# Altium PCB spd150.PcbDoc (part 8 of 15)
Units mil, origin at the board's own origin, x right, y up, seen from the top; angles counter-clockwise.
Board outline 8557 x 5807 mil, 10 copper layers (TOP, LYR2-PLN, LYR3-SIG, LYR4-SIG, LYR5-PLN, LYR6-PLN, LYR7-SIG, LYR8-SIG, LYR9-PLN, BOTTOM), stack 84 mil thick; 1065 components, 972 nets, 4226 pads, 2810 vias.
Unrouted connection lines stored in the file: 16.
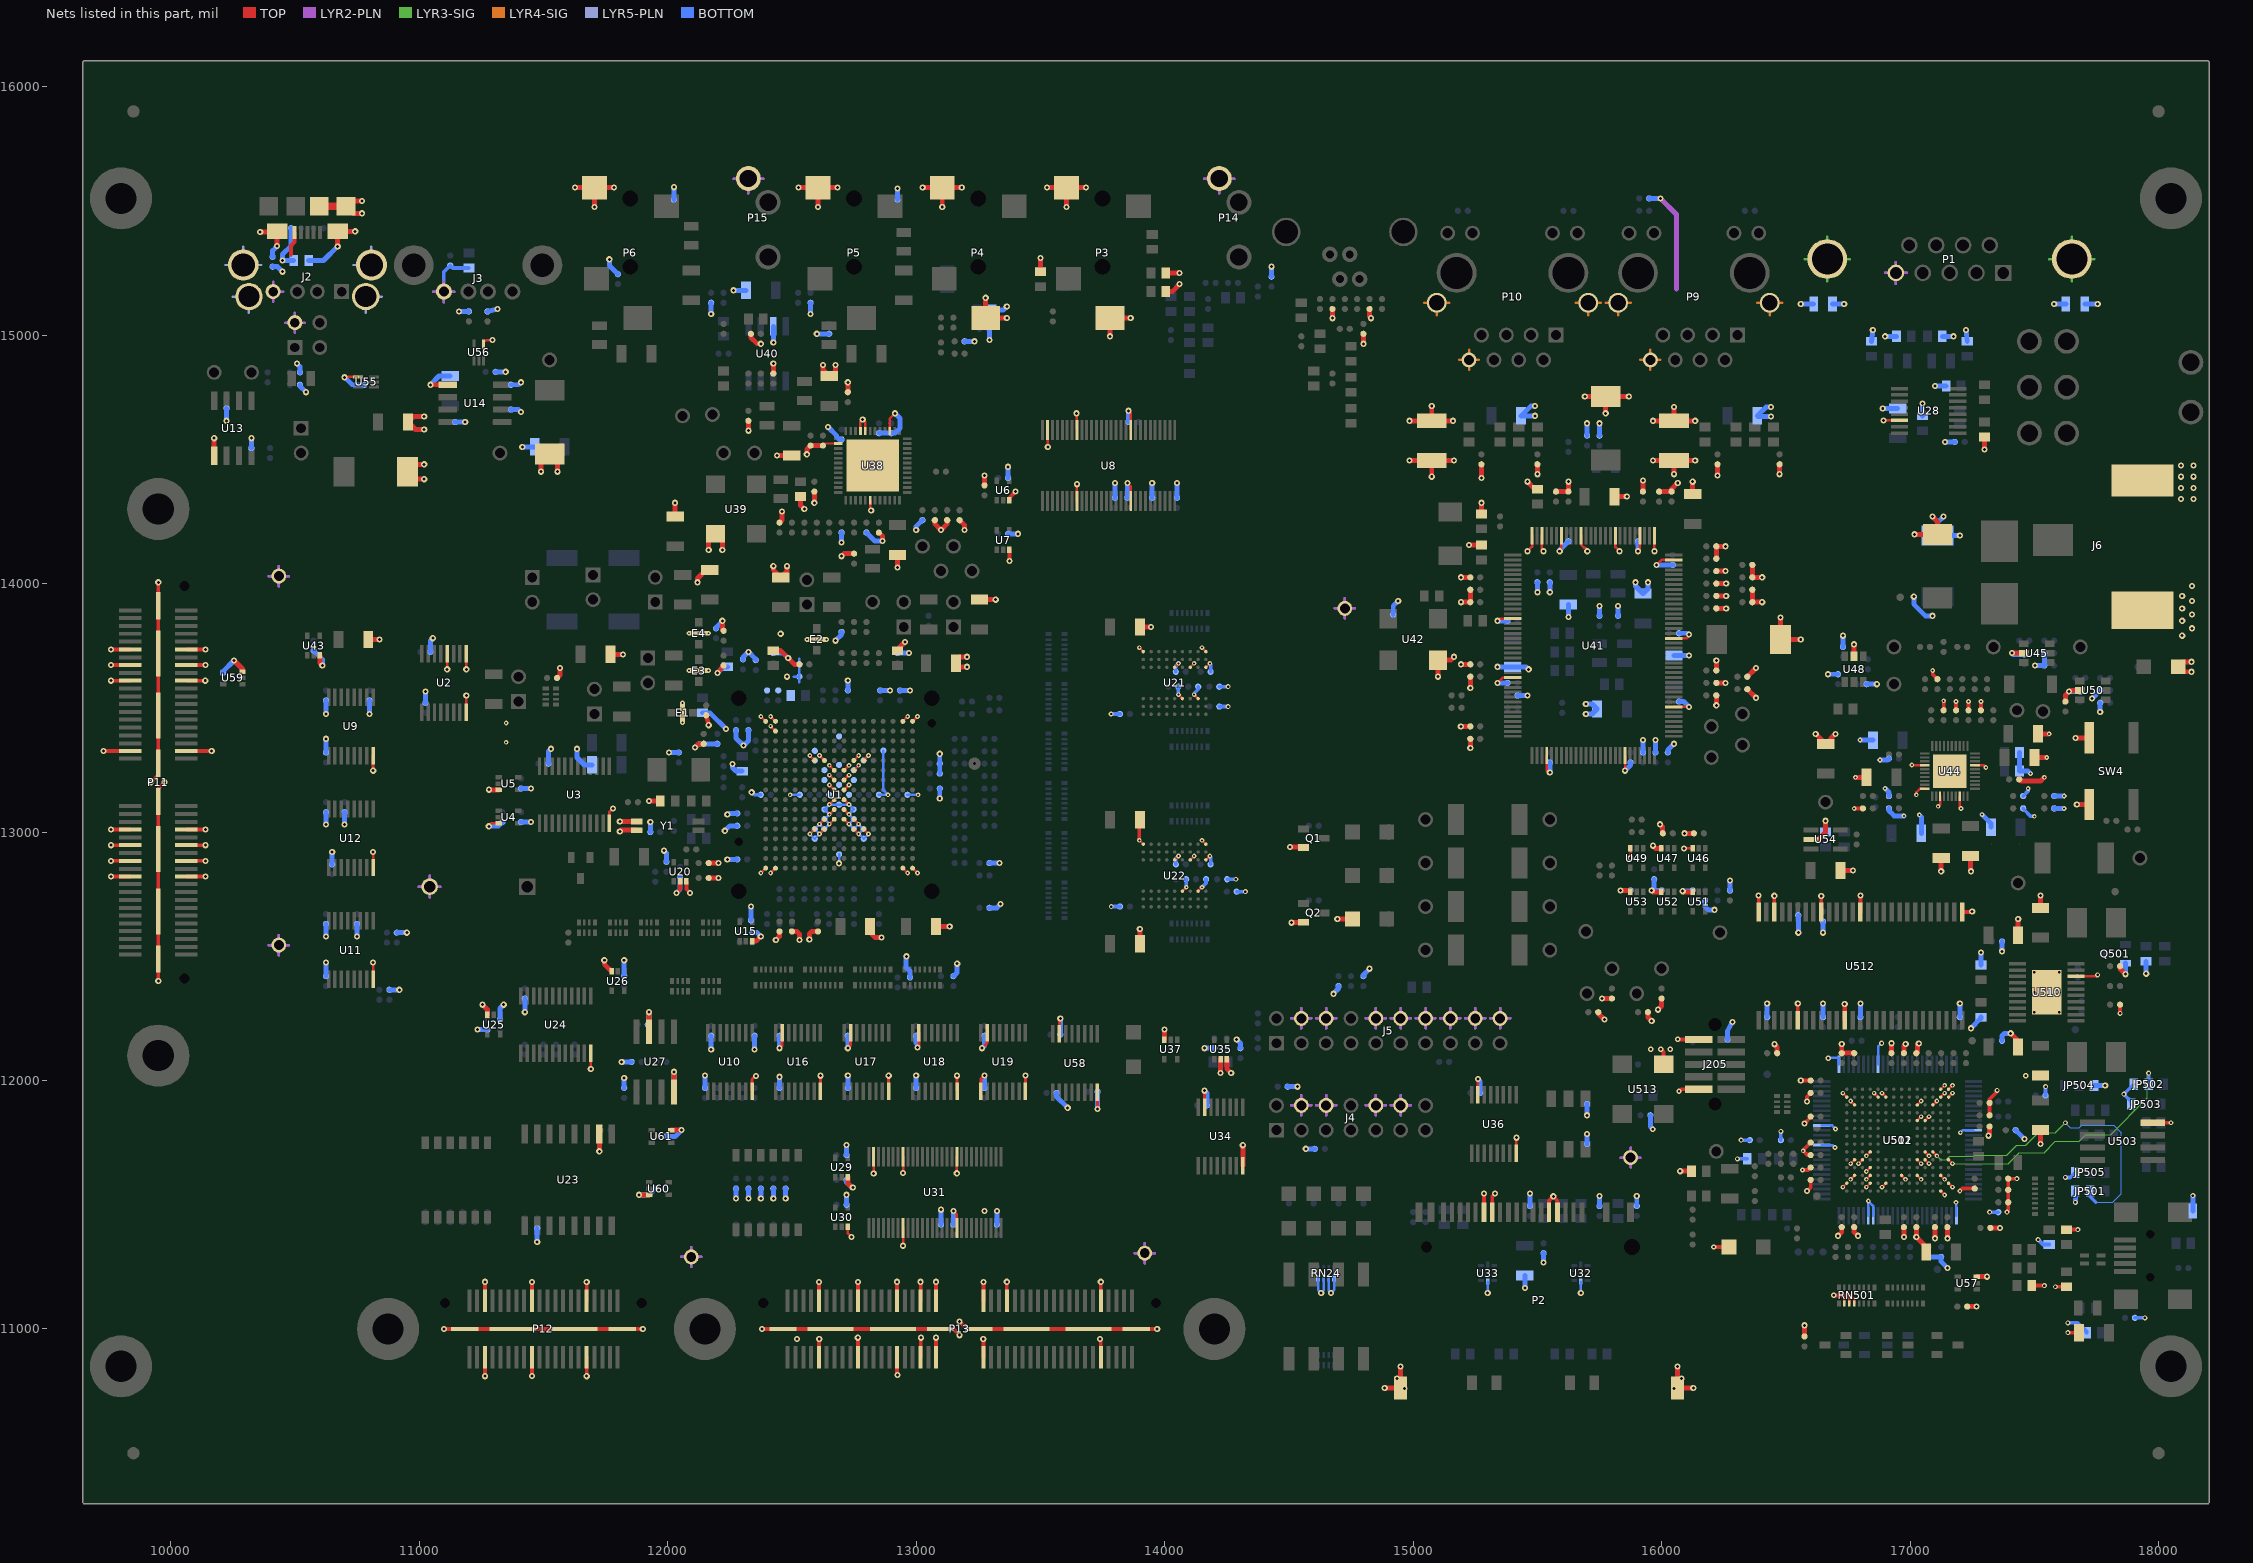
[diagram p16: the nets of this part, all layers, seen from the top]

## Via types
v1: diameter 25, hole 12, TOP to BOTTOM, 2018 vias
v2: diameter 19, hole 8, TOP to BOTTOM, 651 vias
v3: diameter 20, hole 10, TOP to BOTTOM, 120 vias
v4: diameter 22, hole 10, TOP to BOTTOM, 21 vias

## Nets (pads, with @x,y where several pads share a name; then routed paths per layer and width w, separated by ;. In a path a pad name is that pad's centre, name@x,y a point inside that pad or via, vN(x,y) a via of type N, cw(c..) or ccw(c..) an arc to the next point about the centre after c; other vN are vias at no path point) (continued)
GND: C1.2 C2.2 C3.2 C4.2 C5.2 C6.2 C7.2 C8.2 C9.2 C10.2 C11.2 C12.2 C13.2 C14.2 C15.2 C16.2 C17.2 C18.2 C19.2 C20.2 C21.2 C22.2 C23.2 C24.2 C25.2 C26.2 C27.2 C28.2 C29.2 C30.2 C31.2 C32.2 C33.2 C34.2 C35.2 C36.2 C37.2 C38.2 C39.2 C40.2 C41.2 C42.2 C43.2 C44.2 C45.2 C50.2 C51.2 C52.2 C53.2 C54.2 C55.2 C57.2 C58.2 C59.1 C60.1 C61.1 C62.1 C63.1 C64.1 C65.1 C66.1 C67.1 C68.1 C69.2 C70.2 C71.2 C72.2 C73.1 C74.1 C75.1 C76.1 C77.1 C78.1 C79.1 C80.1 C81.1 C82.1 C83.1 C84.1 C85.1 C86.1 C87.1 C88.1 C89.1 C90.1 C91.1 C92.1 C93.1 C94.1 C95.1 C96.1 C97.1 C98.1 C99.1 C100.2 C101.2 C102.2 C103.2 C104.2 C105.2 C106.2 C107.2 C108.2 C109.2 C110.2 C111.2 C112.2 C113.2 C114.2 C115.2 C116.2 C117.2 C118.2 C119.2 C120.2 C121.2 C122.2 C123.2 C124.2 C125.2 C126.1 C127.2 C128.2 C135.2 C136.2 C137.2 C138.2 C139.2 C140.2 C141.2 C142.1 C143.2 C144.2 C145.2 C146.2 C147.2 C148.2 C149.2 C150.2 C151.2 C152.2 C153.2 C154.2 C155.2 C156.2 C157.2 C159.2 C160.2 C161.2 C162.2 C163.2 C164.2 C165.2 C167.2 C171.2 C172.2 C175.2 C183.2 C184.1 C187.2 C188.2 C189.1 C196.2 C197.2 C198.2 C199.1 C200.1 C201.2 C202.2 C203.2 C204.2 C205.2 C206.2 C207.2 C208.2 C209.2 C210.2 C211.2 C212.2 C213.2 C214.2 C215.2 C216.2 C217.2 C218.2 C219.2 C220.2 C221.2 C222.2 C223.2 C224.2 C225.2 C226.2 C227.2 C228.2 C229.2 C230.2 C231.2 C232.2 C233.2 C234.2 C235.2 C236.2 C237.2 C238.2 C239.2 C240.2 C241.2 C242.2 C243.2 C244.2 C245.2 C246.2 C247.2 C248.2 C249.2 C250.2 C251.2 C252.2 C253.2 C254.2 C255.2 C256.2 C257.2 C258.2 C259.2 C260.2 C262.2 C263.2 C264.2 C265.2 C266.2 C267.2 C268.2 C269.2 C270.1 C271.1 C273.2 C274.2 C275.2 C502.2 C504.2 C518.2 C524.2 C526.2 C527.2 C528.2 C529.2 C530.2 C531.2 C532.2 C534.2 C537.2 C538.2 C539.2 C540.2 C541.2 C543.2 C544.2 C545.2 C546.2 C547.2 C548.2 C549.2 C550.2 C551.2 C552.2 C553.2 C554.2 C555.2 C556.2 C557.2 C592.2 C593.2 C594.2 C595.2 C596.2 C597.2 C598.2 C599.2 C600.2 C601.2 C602.2 C603.2 C604.2 C605.2 C606.2 C607.2 CT500.2 CT502.2 CT504.2 CT505.2 CT506.2 CT507.2 D1.2 D520.2 DS7.1 DS9.1 DS501.1 E1.2 E2.2 E3.2 E4.2 J2.4A J2.4B J2.5AB J3.4 J4.4 J4.6 J4.10 J4.12 J5.4 J5.6 J5.10 J5.12 J5.14 J5.16 J5.18 J5.20 J6.SHUNT J6.SLEEVE J205.2 J205.10 JP501.3 JP502.3 JP503.3 JP504.3 JP505.3 L2.1 L5.1 L25.2 L505.2 L591.1 P1.5 P2.3 P2.6 P2.18 P2.21 P2.27 P2.28 P3.1 P3.4 P4.1 P4.4 P5.1 P6.1 P11.11 P11.12 P11.15 P11.16 P11.19 P11.20 P11.37 P11.38 P11.47 P11.48 P11.51 P11.52 P11.55 P11.56 P11.59 P11.60 P11.81 P11.82 P11.83 P11.84 P11.85 P11.86 P11.87 P11.88 P12.5 P12.6 P12.17 P12.18 P12.31 P12.32 P12.41 P12.42 P12.43 P12.44 P13.9 P13.10 P13.19 P13.20 P13.29 P13.30 P13.35 P13.36 P13.39 P13.40 P13.41 P13.42 P13.48 P13.71 P13.72 P13.81 P13.82 P13.83 P13.84 P13.85 P13.86 P13.87 P13.88 P14.1 P15.1 Q1.2 Q2.2 Q501.S R3.2 R17.2 R18.2 R19.2 R20.2 R21.1 R22.2 R23.2 R28.2 R33.1 R34.1 R36.2 R38.2 R44.2 R45.2 R46.2 R47.2 R48.2 R49.2 R50.2 R51.2 R52.2 R56.2 R58.2 R60.2 R62.1 R68.1 R71.2 R74.2 R83.2 R84.2 R85.2 R88.2 R89.2 R102.2 R105.2 R109.2 R113.2 R114.2 R120.1 R124.1 R127.2 R128.2 R129.2 R130.2 R137.2 R141.2 R142.2 R143.2 R150.1 R151.2 R152.2 R153.2 R164.2 R165.2 R166.2 R169.2 R181.2 R183.2 R185.2 R186.2 R187.2 R192.2 R193.2 R202.2 R204.2 R205.2 R206.2 R207.2 R208.2 R224.2 R232.2 R233.1 R250.1 R251.2 R252.2 R253.2 R254.2 R255.2 R256.2 R266.1 R274.2 R275.2 R276.2 R277.2 R278.2 R279.2 R280.2 R281.2 R282.2 R283.2 R284.2 R285.2 R286.2 R287.2 R288.2 R289.1 R291.2 R293.2 R298.2 R299.2 R300.2 R301.2 R302.2 R303.2 R315.2 R321.1 R324.2 R334.2 R336.2 R337.2 R341.2 R342.2 R343.2 R344.2 R348.1 R351.1 R356.1 R373.2 R380.2 R381.2 R382.2 R383.2 R384.2 R390.2 R391.1 R392.1 R393.2 R394.1 R395.1 R528.2 R535.2 R536.2 R537.2 R549.2 R552.1 R555.2 R599.2 R603.2 R612.2 RN24.1 RN24.2 RN24.3 RN24.4 RN501.2 RN501.3 RN501.4 SW4.A SW4.A1 TP41.1 TP42.1 TP43.1 TP44.1 TP45.1 TP46.1 U1.A1 U1.A2 U1.A15 U1.A16 U1.B2 U1.E6 U1.E7 U1.E10 U1.E11 U1.F8 U1.F9 U1.F10 U1.G8 U1.G9 U1.H8 U1.H9 U1.J8 U1.J9 U1.K8 U1.K9 U1.L7 U1.L8 U1.L9 U1.L10 U1.M6 U1.M7 U1.M10 U1.M11 U1.T1 U1.T2 U1.T15 U1.T16 U2.8 U2.9 U2.12 U3.12 U4.3 U5.3 U6.3 U7.3 U8.8 U8.19 U8.38 U8.49 U8.55 U9.8 U10.8 U11.8 U12.8 U13.1 U14.1 U15.3 U16.8 U16.15 U17.8 U17.15 U18.8 U18.15 U19.1 U19.8 U19.15 U20.2 U20.3 U21.A1 U21.A3 U21.B7 U21.C3 U21.D7 U21.E3 U21.J1 U22.A1 U22.A3 U22.B7 U22.C3 U22.D7 U22.E3 U22.J1 U23.10 U24.12 U25.3 U26.3 U27.4 U27.7 U28.14 U29.3 U30.3 U31.8 U31.19 U31.38 U31.49 U31.55 U32.5 U33.5 U34.8 U34.15 U35.2 U35.3 U36.8 U36.15 U37.3 U38.15 U38.20 U38.21 U38.26 U38.42 U38.49 U39.2 U40.7 U41.7 U41.21 U41.37 U41.39 U41.42 U41.47 U41.54 U41.58 U41.62 U41.64 U41.78 U41.90 U41.106 U41.122 U42.2 U43.3 U44.3 U44.8 U44.17 U44.34 U44.40 U44.41 U45.2 U46.3 U47.3 U48.2 U49.3 U50.2 U51.3 U52.3 U53.3 U54.2 U55.4 U56.4 U57.3 U58.8 U58.15 U59.3 U60.3 U61.3 U502.A2 U502.B1 U502.B9 U502.B11 U502.B14 U502.C2 U502.C5 U502.C7 U502.C11 U502.C13 U502.D11 U502.E4 U502.E5 U502.E12 U502.E13 U502.F4 U502.F11 U502.K4 U502.K5 U502.M3 U502.M5 U502.M13 U502.N1 U502.N2 U502.N9 U502.N10 U502.N14 U502.P1 U502.P2 U503.4 U510.8 U510.21 U511.1 U511.9 U511.36 U511.51 U511.68 U511.69 U511.87 U511.91 U512.6 U512.12 U512.28 U512.41 U512.46 U512.52 U512.54 U513.2 Y1.2 Y1.3 | length 51229
  TOP w10: v1(10700,14830) 10701.3,14831.3 U55.4@10754.4,14831.3 ; U11.8@10814.6,12407.4 v1(10814.6,12475.4) ; U12.8@10814.6,12857.4 v1(10814.6,12919.6) ; v1(11112.8,13655) U2.12@11112.8,13717.6 ; U2.8@11189.6,13482.4 v1(11189.6,13550) ; v1(11189.6,13655) U2.9@11189.6,13717.6 ; U56.4@11259.7,14962 11259.7,14970 11269.7,14980 v1(11295,14980) ; v1(11280,13023) 11280,13025 11289.4,13034.4 U4.3@11321,13034.4 ; v1(11690.8,12045.8) U24.12@11690.8,12110 ; U3.12@11765.8,13035 11765.8,13080.8 v1(11780,13095) ; v2(12374.9,12834.8) U1.T1@12394.6,12854.5 ; v2(12374.9,13465.2) U1.A1@12394.6,13445.5 ; v2(12414.3,12834.8) U1.T2@12434,12854.5 ; v2(12414.3,13425.8) U1.B2@12434,13406.1 ; v2(12414.3,13465.2) U1.A2@12434,13445.5 ; v2(12571.9,12992.4) U1.M6@12591.6,13012.1 ; v2(12571.9,13307.6) U1.E6@12591.6,13287.9 ; v2(12611.3,12992.4) U1.M7@12631,13012.1 ; v2(12611.3,13031.8) U1.L7@12631,13051.5 ; v2(12611.3,13307.6) U1.E7@12631,13287.9 ; C163.2@12625,14555 12633.6,14563.6 U38.26@12686,14563.6 ; v2(12650.7,13031.8) U1.L8@12670.4,13051.5 ; v2(12650.7,13071.2) U1.K8@12670.4,13090.9 ; v2(12650.7,13110.6) U1.J8@12670.4,13130.3 ; v2(12650.7,13189.4) U1.H8@12670.4,13169.7 ; v2(12650.7,13228.8) U1.G8@12670.4,13209.1 ; v2(12650.7,13268.2) U1.F8@12670.4,13248.5 ; U1.L9@12709.8,13051.5 v2(12729.5,13031.8) ; U1.K9@12709.8,13090.9 v2(12729.5,13071.2) ; U1.J9@12709.8,13130.3 v2(12729.5,13110.6) ; U1.H9@12709.8,13169.7 v2(12729.5,13189.4) ; U1.G9@12709.8,13209.1 v2(12729.5,13228.8) ; U1.F9@12709.8,13248.5 v2(12729.5,13268.2) ; U30.3@12725.6,11411 12725.6,11384.4 v1(12740,11370) ; U1.M10@12749.2,13012.1 v2(12768.9,12992.4) ; U1.L10@12749.2,13051.5 v2(12768.9,13031.8) ; U1.F10@12749.2,13248.5 v2(12768.9,13268.2) ; U1.E10@12749.2,13287.9 v2(12768.9,13307.6) ; U38.21@12775.8,14614 12775.8,14650.8 v1(12785,14660) 12795.5,14649.5 U38.20@12795.5,14614 ; U1.M11@12788.6,13012.1 v2(12808.3,12992.4) ; U1.E11@12788.6,13287.9 v2(12808.3,13307.6) ; U38.42@12815.2,14336 12815.2,14298 v1(12819.2,14294) ; v1(12829,11626) U31.55@12829,11693 ; U38.15@12893.9,14614 12893.9,14663.9 v1(12915,14685) ; U1.T15@12946.2,12854.5 v2(12965.9,12834.8) ; U1.A15@12946.2,13445.5 v2(12965.9,13465.2) ; v1(12947.1,11335) U31.8@12947.1,11407 ; v1(12947.1,11627.9) U31.49@12947.1,11693 ; U1.T16@12985.6,12854.5 v2(13005.3,12834.8) ; U1.A16@12985.6,13445.5 v2(13005.3,13465.2) ; v1(13150,11475) 13163.6,11461.4 U31.19@13163.6,11407 ; v1(13163.6,11626.4) U31.38@13163.6,11693 ; U8.55@13529,14618 13529,14551 v1(13530,14550) ; v1(13645,14685) 13647.1,14682.9 U8.49@13647.1,14618 ; U8.8@13647.1,14332 v1(13647.1,14400) ; v1(13850,14405) 13863.6,14391.4 U8.19@13863.6,14332 ; v1(13855,14695) 13863.6,14686.4 U8.38@13863.6,14618 ; v2(13898.3,12966.8) U22.J1@13914.1,12951 ; v2(13898.3,13741.8) U21.J1@13914.1,13726 ; U22.E3@14040.1,12888 v2(14055.8,12903.8) ; U21.E3@14040.1,13663 v2(14055.8,13678.8) ; v2(14055.8,13552.8) U21.D7@14071.6,13537 ; U22.D7@14071.6,12762 v2(14087.3,12777.8) ; U22.C3@14103.1,12888 v2(14118.8,12903.8) ; U21.C3@14103.1,13663 v2(14118.8,13678.8) ; v2(14118.8,13552.8) U21.B7@14134.6,13537 ; U22.B7@14134.6,12762 v2(14150.3,12777.8) ; v2(14150.3,12966.8) U22.A1@14166.1,12951 ; v2(14150.3,13741.8) U21.A1@14166.1,13726 ; U22.A3@14166.1,12888 v2(14181.8,12903.8) ; U21.A3@14166.1,13663 v2(14181.8,13678.8) ; U36.15@15261,11942.6 v1(15261,12006) ; v1(15340,13600) 15361.9,13621.9 U41.90@15401,13621.9 ; v1(15340,13850) 15348.4,13858.4 U41.78@15401,13858.4 ; U36.8@15414.6,11707.4 15414.6,11769 v1(15415.6,11770) ; v1(15460,14130) 15478.7,14148.7 U41.64@15478.7,14192 ; U41.62@15518.1,14192 15518.1,14136.9 v1(15525,14130) ; U41.106@15537.8,13308 15537.8,13247.2 15545,13240 v1(15550,13240) ; v1(15590,14130) 15596.9,14136.9 U41.58@15596.9,14192 ; U41.54@15675.7,14192 15675.7,14156.3 15687,14145 15691,14145 15701,14135 v1(15701,14130) ; U41.47@15813.7,14192 15813.7,14146.3 v1(15830,14130) ; v1(15853.1,13246.9) U41.122@15853.1,13308 ; U49.3@15874.4,12934 15875,12933.4 v1(15875,12895) ; v1(15905,14130) 15912.2,14137.2 U41.42@15912.2,14192 ; v1(15971.3,14130) U41.39@15971.3,14192 ; v1(15980,14075) 15999.8,14094.8 U41.37@16049,14094.8 ; U41.7@16049,13503.7 v1(16110,13503.7) ; U41.21@16049,13779.6 16099.6,13779.6 16115,13795 v1(16110,13795) ; v1(16090,12934) U46.3@16124.4,12934 ; v2(16729.4,11570.9) U502.B14@16745.2,11586.7 ; v2(16729.4,11949) U502.N14@16745.2,11933.3 ; RN501.2@16736,11103 16736,11135 ; RN501.3@16755.6,11103 16755.6,11135 16760,11135 16775.2,11119.8 RN501.4@16775.2,11103 ; v2(16760.9,11602.4) U502.C13@16776.7,11618.2 ; v2(16760.9,11665.4) U502.E13@16776.7,11681.2 ; v2(16760.9,11917.5) U502.M13@16776.7,11901.8 ; v2(16792.4,11665.4) U502.E12@16808.2,11681.2 ; v2(16823.9,11570.9) U502.B11@16839.7,11586.7 ; v2(16823.9,11602.4) U502.C11@16839.7,11618.2 ; v2(16823.9,11633.9) U502.D11@16839.7,11649.7 ; v2(16823.9,11696.9) U502.F11@16839.7,11712.7 ; v2(16855.4,11949) U502.N10@16871.2,11933.3 ; v2(16886.9,11570.9) U502.B9@16902.7,11586.7 ; v2(16886.9,11949) U502.N9@16902.7,11933.3 ; v1(16893.4,14656.6) U28.14@16957.4,14656.6 ; U502.C7@16965.8,11618.2 v2(16981.5,11602.4) ; v2(17007,13270) 17008.4,13268.6 U44.34@17059,13268.6 ; v2(17025,13150) 17025,13160 17039.2,13174.2 U44.40@17059,13174.2 ; U502.C5@17028.8,11618.2 v2(17044.5,11602.4) ; U502.E5@17028.8,11681.2 v2(17044.5,11665.4) ; U502.K5@17028.8,11838.8 v2(17044.5,11854.5) ; U502.M5@17028.8,11901.8 v2(17044.5,11917.5) ; U502.E4@17060.3,11681.2 v2(17076,11665.4) ; U502.F4@17060.3,11712.7 v2(17076,11696.9) ; U502.K4@17060.3,11838.8 v2(17076,11854.5) ; U502.M3@17091.8,11901.8 v2(17107.5,11917.5) ; v2(17112.8,13103.2) 17120.6,13111 U44.3@17120.6,13144 ; U502.A2@17123.3,11555.2 v2(17139,11539.4) ; U502.C2@17123.3,11618.2 v2(17139,11602.5) ; U502.N2@17123.3,11933.3 v2(17139,11949) ; U502.P2@17123.3,11964.8 v2(17139,11980.5) ; U502.B1@17154.8,11586.7 v2(17170.5,11570.9) ; U502.N1@17154.8,11933.3 v2(17170.5,11949) ; U502.P1@17154.8,11964.8 v2(17170.5,11980.5) ; U44.8@17199.4,13144 17199.4,13100.6 v2(17205,13095) ; U44.17@17261,13268.6 17296.4,13268.6 v2(17305,13260) ; U510.8@17667.6,12419 17749,12419 v3(17755,12425)
  TOP w12: U9.8@10814.6,13307.4 10814.6,13250.4 10815,13250 v1(10815,13247) ; U10.8@12339.6,11957.4 12339.6,12005 12352.6,12018 v1(12355,12018) ; v1(12450,12130) 12461,12141 U16.15@12461,12192.6 ; U16.8@12614.6,11957.4 v1(12614.6,12019.6) ; v1(12725,12130) 12736,12141 U17.15@12736,12192.6 ; U17.8@12889.6,11957.4 v1(12889.6,12019.6) ; v1(13005,12133) 13011,12139 U18.15@13011,12192.6 ; U18.8@13164.6,11957.4 v1(13164.6,12019.6) ; U19.1@13260.4,11957.4 13260.4,12005.4 v1(13275,12020) ; v1(13265,12130) 13286,12151 U19.15@13286,12192.6 ; U19.8@13439.6,11957.4 v1(13439.6,12020) ; U58.15@13576,12187.6 13576,12246 v1(13580,12250) ; v1(13729.6,11885) U58.8@13729.6,11952.4 ; U34.15@14161,11892.6 v1(14161,11959)
  TOP w15: v1(9730,13326) P11.37@9837,13326 ; v1(9760,12821) P11.59@9837,12821 ; v1(9760,12884) P11.55@9837,12884 ; v1(9760,12947) P11.51@9837,12947 ; v1(9760,13010) P11.47@9837,13010 ; v1(9760,13609) P11.19@9837,13609 ; v1(9760,13672) P11.15@9837,13672 ; v1(9760,13735) P11.11@9837,13735 ; v1(9920,13200) 9950,13230 P11.85@9950,13277 P11.86@9950,13469 P11.87@9950,13719 P11.88@9950,13911 v1(9950,14005) ; v1(9950,12400) P11.81@9950,12489 P11.82@9950,12681 P11.83@9950,12931 P11.84@9950,13123 9950,13175 v1(9975,13200) ; P11.60@10063,12821 v1(10140,12821) ; P11.56@10063,12884 v1(10140,12884) ; P11.52@10063,12947 v1(10140,12947) ; P11.48@10063,13010 v1(10140,13010) ; P11.38@10063,13326 v1(10165,13326) ; P11.20@10063,13609 v1(10139,13609) ; P11.16@10063,13672 v1(10140,13672) ; P11.12@10063,13735 v1(10140,13735) ; v1(11100,11000) P12.44@11183,11000 P12.43@11375,11000 P12.42@11625,11000 P12.41@11817,11000 v1(11900,11000) ; v1(11265,10810) P12.5@11265,10887 ; P12.6@11265,11113 v1(11265,11190) ; v1(11454,10811) P12.17@11454,10887 ; P12.18@11454,11113 v1(11454,11189) ; v1(11674,10810) P12.31@11674,10887 ; P12.32@11674,11113 v1(11674,11189) ; v1(12035,12755) 12050,12770 U20.2@12050,12801 ; U20.3@12075.6,12801 12075.6,12769.4 v1(12090,12755) ; v1(12380,11000) P13.88@12464,11000 P13.87@12656,11000 P13.86@12906,11000 P13.85@13098,11000 13150,11000 v1(13175,10975) ; P13.9@12609,10887 12609,10959 v1(12610,10960) ; P13.10@12609,11113 v1(12609,11189) ; v1(12765,10965) 12766,10964 P13.19@12766,10887 ; P13.20@12766,11113 v1(12766,11189) ; P13.29@12923,10887 12923,10817 v1(12925,10815) ; P13.30@12923,11113 v1(12923,11190) ; P13.35@13018,10887 13018,10963 v1(13020,10965) ; P13.36@13018,11113 v1(13018,11190) ; P13.39@13080,10887 v1(13080,10965) ; P13.40@13080,11113 v1(13080,11190) ; v1(13175,11030) 13205,11000 P13.84@13252,11000 P13.83@13444,11000 P13.82@13694,11000 P13.81@13886,11000 v1(13970,11000) ; v1(13270,10960) 13271,10959 P13.41@13271,10887 ; P13.42@13271,11113 v1(13271,11189) ; P13.48@13365,11113 v1(13365,11190) ; v1(13375.6,14090.6) U7.3@13375.6,14136 ; U6.3@13375.6,14336 13375.6,14345.6 v1(13400,14370) ; v1(13740,10960) 13743,10957 P13.71@13743,10887 ; P13.72@13743,11113 v1(13743,11190) ; v2(13898.3,12966.8) 13898.3,13048.2 C105.2@13900.1,13050 ; P2.6@15285.1,11470 v1(15285.1,11544.9) ; P2.18@15318.6,11470 15318.6,11533.6 v1(15330,11545) ; P2.21@15547,11470 15547,11517 v1(15564,11534) 15580.4,11517.6 P2.3@15580.4,11470 ; v4(15996,12126) 15997,12125 15998,12125 16008,12115 U513.2@16008,12065 ; v4(16065.8,12165.5) 16149.5,12165.5 J205.2@16150,12165 ; v4(16070,11957) 16072,11957 16080,11965 J205.10@16150,11965 ; v4(16210,11330) DS501.1@16271,11330 ; U512.54@16390.5,12678 v1(16390.5,12745) ; U512.52@16453.5,12678 v1(16453.5,12743.5) ; U512.6@16548,12242 v1(16548,12310) ; v1(16560,12000) C538.2@16600,12000 ; v2(16566.9,11640.1) 16569.9,11640.1 16570,11640 16590,11640 C551.2@16600,11650 ; v1(16575,11827) 16600,11852 C548.2@16600,11855 ; v1(16585,11555) 16600,11570 C545.2@16600,11600 ; v1(16585,11915) 16585,11935 C539.2@16600,11950 ; C550.2@16600,11700 16587,11700 v2(16570,11717) 16570,11720 C537.2@16600,11750 ; U512.46@16642.5,12678 v1(16642.5,12742.5) ; v4(16692,11135) 16736,11135 16755.6,11135 ; v2(16775,13095) R321.1@16810,13095 ; U512.41@16800,12678 v1(16800,12745) ; v2(17091,13650) 17091,13634 C239.2@17110,13615 ; C269.2@17135,13490 v2(17135,13528) ; C268.2@17185,13490 v2(17185,13525) ; v2(17200,11555) 17210,11565 C532.2@17260,11565 ; U512.28@17209.5,12678 17248,12678 v1(17250,12680) ; C267.2@17235,13490 v2(17235,13525) ; R342.2@17285,13490 v2(17285,13525) ; C530.2@17320,11860 C529.2@17320,11910 17320,11925 17350,11955 v3(17350,11960) ; v3(17390,11470) 17395,11475 C543.2@17395,11510 C528.2@17395,11560 C534.2@17395,11605 v3(17430,11605) ; C504.2@17490,11175 v3(17540,11175) ; v3(17585,11170) R536.2@17630,11170 ; R537.2@17630,11400 v3(17675,11400) ; v3(17635,10985) D520.2@17680,10985 ; v3(17845,12270) C555.2@17845,12305 ; U503.4@17976.5,11830 v3(18050,11830)
  TOP w16: 10485,15325 10485,15361 10499,15375 J2.5AB@10499,15412.5
  TOP w20: U13.1@10175,14515 v1(10175,14585) ; v1(10255,13690) 10289,13656 U59.3@10289,13645.6 ; U43.3@10600.6,13711 10600.6,13679.4 v1(10610,13670) ; C104.2@10795,13775 v1(10840,13775) ; v1(11020,14420) 10983,14420 C16.2@10953,14450 10983,14480 v1(11020,14480) ; v1(11020,14620) 10985,14620 C14.2@10955,14650 10977,14672 v1(11020,14672) ; v1(11045,14800) U14.1@11115,14800 ; v1(11255,12305) 11274.4,12285.6 U25.3@11274.4,12264 ; v1(11280.6,13170.4) 11281.6,13169.4 U5.3@11321,13169.4 ; v1(11490,14450) 11490,14512 11500,14522 C29.2@11525,14522 11547.2,14522 11557.2,14512 v1(11557.2,14450) ; R3.2@11555,13620 11567,13632 v1(11567,13660) ; v1(11626.5,15593.5) P6.1@11705,15593.5 ; v1(11705,15515) P6.1@11705,15593.5 ; v1(11725,11715) U23.10@11725,11785 ; v1(11745,12484) 11745,12468.4 U26.3@11774.4,12439 ; C69.2@11770,13715 v1(11820,13715) ; v1(11783.5,15593.5) P6.1@11705,15593.5 ; v1(11807.5,13002.5) 11812.5,13007.5 Y1.3@11876,13007.5 ; v1(11807.5,13042.5) Y1.2@11876,13042.5 ; v1(11885,11540) 11925.4,11540 U60.3@11926,11539.4 ; U27.7@11925,12196.5 v1(11925,12275) ; v1(11925,13125) C50.2@11970,13125 ; U61.3@12014,11800.6 v1(12055.6,11800.6) ; U27.4@12025,11953.5 v1(12025,12035) ; C103.2@12030,14270 v1(12030,14325) ; v1(12110,13340) 12125,13355 C17.2@12145,13355 ; v1(12120,14005) 12120,14020 12155,14055 C72.2@12170,14055 ; C31.2@12155,13470 v1(12165,13430) ; C44.2@12165,12815 v1(12205,12815) ; C45.2@12165,12875 v1(12205,12875) ; v1(12165,14135) 12165,14172.5 U39.2@12192.5,14200 12220,14172.5 v1(12220,14135) ; v1(12200,13640) C36.2@12225,13670 ; v1(12220,13850) 12220,13815 C35.2@12225,13810 ; v1(12325,14615) C165.2@12325,14655 ; C184.1@12335,15005 12335,14990 12360,14965 v1(12375,14965) ; U15.3@12340.6,12561 12356,12561 v1(12375,12580) ; C27.2@12425,13730 12455,13730 v1(12485,13700) 12510,13675 C21.2@12530,13675 ; v1(12425,14070) 12425,14055 C100.2@12455,14025 12480,14050 v1(12480,14070) ; C189.1@12425,14845 v1(12425,14885) ; v1(12435,12565) 12450,12580 R33.1@12450,12600 ; v1(12440,14515) C162.2@12500,14515 ; C175.2@12450,14245 12460,14255 v1(12460,14290) ; R34.1@12500,12600 12520,12600 12530,12590 v1(12530,12565) ; v1(12526.5,15593.5) P5.1@12605,15593.5 ; C160.2@12535,14350 12535,14315 v1(12550,14300) ; v1(12560,14520) 12560,14540 C164.2@12575,14555 C163.2@12625,14555 ; v1(12570,12567) 12570,12590 12580,12600 R28.2@12605,12600 ; v1(12590,14325) C159.2@12590,14370 ; v1(12605,15515) P5.1@12605,15593.5 ; v1(12625,14880) 12625,14860 C155.2@12650,14835 12655,14835 12675,14855 v1(12675,14880) ; v1(12683.5,15593.5) P5.1@12605,15593.5 ; v1(12700,14110) 12710,14120 C151.2@12750,14120 ; C157.2@12725,14770 v1(12725,14810) ; U29.3@12725.6,11611 12725.6,11584.4 12740,11570 v1(12745,11570) ; C70.2@12815,12620 12815,12595 12835,12575 v1(12860,12575) ; C152.2@12850,14205 12865,14190 v1(12865,14171) ; C52.2@12925,13730 12925,13735 v1(12955,13765) ; v1(12925,14065) C150.2@12925,14115 ; v1(13026.5,15593.5) P4.1@13105,15593.5 ; R206.2@13075,14255 13075,14240 v1(13100,14215) 13125,14240 R205.2@13125,14255 ; C102.2@13080,12620 v1(13135,12620) ; v1(13105,15515) P4.1@13105,15593.5 ; R204.2@13175,14255 13195,14235 v1(13195,14215) ; v1(13183.5,15593.5) P4.1@13105,15593.5 ; v1(13205,13665) 13170,13665 13160,13675 C71.2@13160,13680 13160,13695 13170,13705 v1(13205,13705) ; C101.2@13255,13935 v1(13320,13935) ; R20.2@13275,14395 v1(13275,14435) ; v1(13280,15150) P4.4@13280,15068.5 v1(13365,15068.5) ; R181.2@13500,15255 v1(13500,15310) ; v1(13526.5,15593.5) P3.1@13605,15593.5 ; v1(13605,15515) P3.1@13605,15593.5 ; v1(13683.5,15593.5) P3.1@13605,15593.5 ; v1(13780,14995) P3.4@13780,15068.5 v1(13863.5,15068.5) ; C115.2@13900.1,12550 v1(13900.1,12610) ; C114.2@13900.1,13825 v1(13945.1,13825) ; U37.3@13999.4,12164 v1(13999.4,12205.6) ; C167.2@14005,15175 14030,15175 v1(14060,15205) ; R183.2@14005,15250 v1(14060,15250) ; v1(14225,12030) U35.2@14225,12086 ; U35.3@14250.6,12086 14250.6,12047.4 v1(14268,12030) ; U34.8@14314.6,11657.4 v1(14314.6,11739.6) ; v1(14505,12940) 14555,12940 Q1.2@14558,12937 ; v1(14510,12635) 14556,12635 Q2.2@14558,12637 ; v1(14675,15068) C196.2@14675,15105 ; v1(14695,12650) DS9.1@14756,12650 ; v1(14800,14965) R232.2@14800,15005 ; C197.2@14825,15105 14825,15074 v1(14831,15068) ; v1(14885.5,10762.7) P2.28@14949.5,10762.7 v1(14949.5,10849.5) ; v1(14985,14495) C226.2@15075,14495 ; v1(15075,14430) C226.2@15075,14495 ; v1(15100,13625) U42.2@15100,13692 15152,13692 v1(15165,13705) ; v1(15165,14495) C226.2@15075,14495 ; v1(15192,13425) R283.2@15230,13425 ; v1(15193,13675) R285.2@15230,13675 ; v1(15193,13925) R250.1@15230,13925 R255.2@15230,13975 ; v1(15193,14025) R289.1@15230,14025 ; v1(15225,14155) C199.1@15275,14155 ; v1(15230,13338) R284.2@15230,13375 ; v1(15230,13580) R286.2@15230,13625 ; C200.1@15275,14280 v1(15275,14325) ; v1(15275,14425) C232.2@15275,14480 ; v1(15460,14410) 15490,14380 R266.1@15500,14380 ; v1(15500,14440) C229.2@15500,14480 ; R298.2@15575,14370 R299.2@15625,14370 v1(15625,14410) ; v1(15691,14753) C214.2@15775,14753 ; R381.2@15745,12275 15745,12270 v1(15770,12245) ; v1(15760,12330) R383.2@15800,12330 ; v1(15775,14685) C214.2@15775,14753 ; C220.2@15810,14350 v1(15860,14350) ; v1(15835,12765) 15868.4,12765 U53.3@15874.4,12759 ; v1(15868,14753) C214.2@15775,14753 ; R274.2@15925,14370 v1(15925,14415) ; R382.2@15945,12275 15945,12255 v1(15960,12240) ; v1(15960,12765) 15966,12759 U52.3@15999.4,12759 ; v1(15965,12945) 15976,12934 U47.3@15999.4,12934 ; v1(15965,14495) C230.2@16050,14495 ; v1(15985,12285) 16000,12300 R380.2@16000,12330 ; R301.2@15990,14370 R300.2@16040,14370 16040,14380 v1(16065,14405) ; v1(15994,13031) 15994,13030 16004,13020 16004,12996 C249.2@16005,12995 ; v1(16050,14440) C230.2@16050,14495 ; v1(16063.7,10849.5) P2.27@16063.7,10762.7 v1(16127.7,10762.7) ; v1(16075,11635) L591.1@16120,11635 ; v1(16085,12762) 16088,12759 U51.3@16124.4,12759 ; v1(16092,12995) C247.2@16130,12995 ; C221.2@16125,14360 v1(16125,14410) ; v1(16135,14495) C230.2@16050,14495 ; v1(16220,13510) R254.2@16220,13550 ; R281.2@16220,13600 v1(16257,13600) ; R253.2@16220,13650 v1(16220,13690) ; R256.2@16220,13900 v1(16260,13900) ; R279.2@16220,13950 v1(16260,13950) ; R251.2@16220,14000 v1(16260,14000) ; R277.2@16220,14050 v1(16257,14050) ; R275.2@16220,14100 R288.2@16220,14150 v1(16257,14150) ; v1(16225,14435) C228.2@16225,14480 ; R282.2@16345,13575 v1(16380,13540) ; R280.2@16345,13625 v1(16380,13660) ; R252.2@16365,13975 R287.2@16365,13925 v1(16405,13925) ; R276.2@16365,14075 R278.2@16365,14025 v1(16405,14025) ; v1(16454,12146) 16465,12135 C595.2@16465,12110 ; v1(16475,14440) C225.2@16475,14480 ; v1(16478,13863) C203.2@16478,13775 v1(16560,13775) ; C527.2@16575,10970 v1(16575,11015) ; U54.2@16601,12970 16630,12970 16660,13000 v1(16660,13045) ; v1(16620,13395) C262.2@16660,13355 v1(16700,13395) ; v1(16710,11375) 16725,11390 C541.2@16725,11410 ; C260.2@16720,12845 v1(16770,12845) ; v1(16725,12147) C540.2@16725,12110 C553.2@16775,12110 ; U512.12@16737,12242 v1(16737,12308) ; U48.2@16774.6,13707.6 v1(16774.6,13755.4) ; C546.2@16775,11410 16775,11390 v1(16790,11375) ; v2(16780,13220) C234.2@16825,13220 ; C554.2@16925,12110 v1(16925,12150) ; v1(16975,11370) C597.2@16975,11410 ; C549.2@16975,12110 16975,12138.9 16982.1,12146 16982.1,12146.5 v1(16982.2,12146.6) ; v1(17018,14198) C259.2@17110,14198 17110,14250 v1(17090,14270) ; C524.2@17025,11410 v1(17025,11370) 17065,11330 CT502.2@17065,11310 ; C599.2@17025,12110 17030,12115 17030,12144 v1(17035,12149) ; v1(17100,11365) C596.2@17100,11410 ; v1(17125,12842) C238.2@17125,12895 ; v1(17150,11365) C547.2@17150,11410 ; C25.2@17230,11090 v1(17267,11090) ; C240.2@17243,12904 17243,12844 v1(17245,12842) ; U57.3@17269,11210.6 v1(17309.4,11210.6) ; v1(17300,14540) C136.2@17300,14590 ; v1(17316,11778) 17316,11781 17320,11785 C598.2@17320,11815 ; C552.2@17323,11407 v1(17362,11407) ; v1(17405,12190) 17435,12160 CT506.2@17435,12135 ; v1(17410,13720) U45.2@17458,13720 ; CT500.2@17435,12585 v1(17435,12650) ; R343.2@17439,13212 17446,13205 17525,13205 v2(17540,13220) ; C244.2@17500,13300 v2(17550,13300) ; C242.2@17515,13395 v2(17560,13395) ; v1(17525,11745) CT504.2@17525,11800 ; CT507.2@17525,12695 v1(17525,12745) ; R334.2@17625,13525 17625,13551 v1(17639,13565) 17644,13570 U50.2@17683,13570 ; v1(17666,13379) SW4.A1@17721,13379 ; v1(17671,13111) SW4.A@17721,13111 ; C557.2@17845,12460 17845,12450 v1(17867,12428) ; v1(18133,13645) 18099,13645 DS7.1@18079,13665 18099,13685 v1(18133,13685)

## Text inside footprints (layer, text, board x,y; h text height)
R159: PIN_NUMBER "1" at 15184,11420 h40 r270; PIN_NUMBER "2" at 15184,11480 h40 r270; SYMB_DIM "PAD 35X45OV" at 15275,11635 h40 r270; SYMB_DIM "SM  43X53OV" at 15215,11635 h40 r270; SYMB_DIM "SP  35X45OV" at 15145,11635 h40 r270; SYMB_DIM "R603-35X45" at 15390,11240 h40 r270; SYMB_DIM "0" at 15060,11430 h40 r270; SYMB_DIM "0" at 15180,11305 h40 r270; ASSEMBLY_BOTTOM "51K" at 15185,11425 h40 r270; ASSEMBLY_BOTTOM "X" at 15185,11455 h40 r270; ASSEMBLY_BOTTOM "X" at 15185,11490 h40 r270
R160: PIN_NUMBER "2" at 15704,10900 h40; PIN_NUMBER "1" at 15764,10900 h40; SYMB_DIM "PAD 35X45OV" at 15565,10975 h40; SYMB_DIM "SM  43X53OV" at 15565,10915 h40; SYMB_DIM "SP  35X45OV" at 15565,10845 h40; SYMB_DIM "R603-35X45" at 15960,11090 h40; SYMB_DIM "0" at 15770,10760 h40; SYMB_DIM "0" at 15895,10880 h40; ASSEMBLY_BOTTOM "51K" at 15775,10885 h40; ASSEMBLY_BOTTOM "X" at 15745,10885 h40; ASSEMBLY_BOTTOM "X" at 15710,10885 h40
R161: PIN_NUMBER "2" at 15614,10900 h40 r180; PIN_NUMBER "1" at 15554,10900 h40 r180; SYMB_DIM "PAD 35X45OV" at 15785,10825 h40 r180; SYMB_DIM "SM  43X53OV" at 15785,10885 h40 r180; SYMB_DIM "SP  35X45OV" at 15785,10955 h40 r180; SYMB_DIM "R603-35X45" at 15390,10710 h40 r180; SYMB_DIM "0" at 15580,11040 h40 r180; SYMB_DIM "0" at 15455,10920 h40 r180; ASSEMBLY_BOTTOM "51K" at 15575,10915 h40 r180; ASSEMBLY_BOTTOM "X" at 15605,10915 h40 r180; ASSEMBLY_BOTTOM "X" at 15640,10915 h40 r180
R162: PIN_NUMBER "2" at 15329,10900 h40; PIN_NUMBER "1" at 15389,10900 h40; SYMB_DIM "PAD 35X45OV" at 15190,10975 h40; SYMB_DIM "SM  43X53OV" at 15190,10915 h40; SYMB_DIM "SP  35X45OV" at 15190,10845 h40; SYMB_DIM "R603-35X45" at 15585,11090 h40; SYMB_DIM "0" at 15395,10760 h40; SYMB_DIM "0" at 15520,10880 h40; ASSEMBLY_BOTTOM "51K" at 15400,10885 h40; ASSEMBLY_BOTTOM "X" at 15370,10885 h40; ASSEMBLY_BOTTOM "X" at 15335,10885 h40
R163: PIN_NUMBER "2" at 15214,10900 h40 r180; PIN_NUMBER "1" at 15154,10900 h40 r180; SYMB_DIM "PAD 35X45OV" at 15385,10825 h40 r180; SYMB_DIM "SM  43X53OV" at 15385,10885 h40 r180; SYMB_DIM "SP  35X45OV" at 15385,10955 h40 r180; SYMB_DIM "R603-35X45" at 14990,10710 h40 r180; SYMB_DIM "0" at 15180,11040 h40 r180; SYMB_DIM "0" at 15055,10920 h40 r180; ASSEMBLY_BOTTOM "51K" at 15175,10915 h40 r180; ASSEMBLY_BOTTOM "X" at 15205,10915 h40 r180; ASSEMBLY_BOTTOM "X" at 15240,10915 h40 r180
R164: PIN_NUMBER "2" at 15892,11495 h20 r270; PIN_NUMBER "1" at 15892,11455 h20 r270; ASSEMBLY_BOTTOM "USERPART#" at 15750,11475 h25 r270; ASSEMBLY_BOTTOM "TOLERANCE" at 15800,11475 h25 r270; ASSEMBLY_BOTTOM "NO-POP" at 15900,11475 h25 r270; SYMBOL_PART_DIM "0" at 15887,11383 h25 r270; SYMBOL_PART_DIM "0" at 15816,11467 h25 r270; SYMBOL_PART_DIM "C402-35X32" at 15762,11352 h25 r270; SYMBOL_PART_DIM "PAD 35X32 OV" at 15712,11352 h25 r270
R165: PIN_NUMBER "2" at 15742,11495 h20 r270; PIN_NUMBER "1" at 15742,11455 h20 r270; ASSEMBLY_BOTTOM "USERPART#" at 15600,11475 h25 r270; ASSEMBLY_BOTTOM "TOLERANCE" at 15650,11475 h25 r270; ASSEMBLY_BOTTOM "NO-POP" at 15750,11475 h25 r270; SYMBOL_PART_DIM "0" at 15737,11383 h25 r270; SYMBOL_PART_DIM "0" at 15666,11467 h25 r270; SYMBOL_PART_DIM "C402-35X32" at 15612,11352 h25 r270; SYMBOL_PART_DIM "PAD 35X32 OV" at 15562,11352 h25 r270
R166: PIN_NUMBER "2" at 15462,11495 h20 r270; PIN_NUMBER "1" at 15462,11455 h20 r270; ASSEMBLY_BOTTOM "USERPART#" at 15320,11475 h25 r270; ASSEMBLY_BOTTOM "TOLERANCE" at 15370,11475 h25 r270; ASSEMBLY_BOTTOM "NO-POP" at 15470,11475 h25 r270; SYMBOL_PART_DIM "0" at 15457,11383 h25 r270; SYMBOL_PART_DIM "0" at 15386,11467 h25 r270; SYMBOL_PART_DIM "C402-35X32" at 15332,11352 h25 r270; SYMBOL_PART_DIM "PAD 35X32 OV" at 15282,11352 h25 r270
R167: PIN_NUMBER "2" at 15042,11470 h20 r270; PIN_NUMBER "1" at 15042,11430 h20 r270; ASSEMBLY_BOTTOM "USERPART#" at 14900,11450 h25 r270; ASSEMBLY_BOTTOM "1%" at 14950,11450 h25 r270; ASSEMBLY_BOTTOM "10K" at 15050,11450 h25 r270; SYMBOL_PART_DIM "0" at 15037,11358 h25 r270; SYMBOL_PART_DIM "0" at 14966,11442 h25 r270; SYMBOL_PART_DIM "C402-35X32" at 14912,11327 h25 r270; SYMBOL_PART_DIM "PAD 35X32 OV" at 14862,11327 h25 r270
R168: PIN_NUMBER "2" at 14992,11470 h20 r270; PIN_NUMBER "1" at 14992,11430 h20 r270; ASSEMBLY_BOTTOM "USERPART#" at 14850,11450 h25 r270; ASSEMBLY_BOTTOM "1%" at 14900,11450 h25 r270; ASSEMBLY_BOTTOM "10K" at 15000,11450 h25 r270; SYMBOL_PART_DIM "0" at 14987,11358 h25 r270; SYMBOL_PART_DIM "0" at 14916,11442 h25 r270; SYMBOL_PART_DIM "C402-35X32" at 14862,11327 h25 r270; SYMBOL_PART_DIM "PAD 35X32 OV" at 14812,11327 h25 r270
R169: PIN_NUMBER "2" at 14487,11975 h20 r180; PIN_NUMBER "1" at 14447,11975 h20 r180; ASSEMBLY_BOTTOM "USERPART#" at 14475,12125 h25 r180; ASSEMBLY_BOTTOM "TOLERANCE" at 14475,12075 h25 r180; ASSEMBLY_BOTTOM "10K" at 14475,11975 h25 r180; SYMBOL_PART_DIM "0" at 14383,11988 h25 r180; SYMBOL_PART_DIM "0" at 14467,12059 h25 r180; SYMBOL_PART_DIM "C402-35X32" at 14352,12113 h25 r180; SYMBOL_PART_DIM "PAD 35X32 OV" at 14352,12163 h25 r180
R170: PIN_NUMBER "1" at 14179,12075 h40 r180; PIN_NUMBER "2" at 14239,12075 h40 r180; SYMB_DIM "PAD 35X45OV" at 14410,12000 h40 r180; SYMB_DIM "SM  43X53OV" at 14410,12060 h40 r180; SYMB_DIM "SP  35X45OV" at 14410,12130 h40 r180; SYMB_DIM "R603-35X45" at 14015,11885 h40 r180; SYMB_DIM "0" at 14205,12215 h40 r180; SYMB_DIM "0" at 14080,12095 h40 r180; ASSEMBLY_BOTTOM "NO POP" at 14200,12090 h40 r180; ASSEMBLY_BOTTOM "X" at 14230,12090 h40 r180; ASSEMBLY_BOTTOM "X" at 14265,12090 h40 r180
R171: PIN_NUMBER "1" at 14242,12130 h20 r270; PIN_NUMBER "2" at 14242,12170 h20 r270; ASSEMBLY_BOTTOM "USERPART#" at 14100,12150 h25 r270; ASSEMBLY_BOTTOM "TOLERANCE" at 14150,12150 h25 r270; ASSEMBLY_BOTTOM "33" at 14250,12150 h25 r270; SYMBOL_PART_DIM "0" at 14237,12058 h25 r270; SYMBOL_PART_DIM "0" at 14166,12142 h25 r270; SYMBOL_PART_DIM "C402-35X32" at 14112,12027 h25 r270; SYMBOL_PART_DIM "PAD 35X32 OV" at 14062,12027 h25 r270
R172: PIN_NUMBER "1" at 16304,11460 h40 r180; PIN_NUMBER "2" at 16364,11460 h40 r180; SYMB_DIM "PAD 35X45OV" at 16535,11385 h40 r180; SYMB_DIM "SM  43X53OV" at 16535,11445 h40 r180; SYMB_DIM "SP  35X45OV" at 16535,11515 h40 r180; SYMB_DIM "R603-35X45" at 16140,11270 h40 r180; SYMB_DIM "0" at 16330,11600 h40 r180; SYMB_DIM "0" at 16205,11480 h40 r180; ASSEMBLY_BOTTOM "1.5K" at 16325,11475 h40 r180; ASSEMBLY_BOTTOM "X" at 16355,11475 h40 r180; ASSEMBLY_BOTTOM "X" at 16390,11475 h40 r180
R173: PIN_NUMBER "1" at 14979,12375 h40 r180; PIN_NUMBER "2" at 15039,12375 h40 r180; SYMB_DIM "PAD 35X45OV" at 15210,12300 h40 r180; SYMB_DIM "SM  43X53OV" at 15210,12360 h40 r180; SYMB_DIM "SP  35X45OV" at 15210,12430 h40 r180; SYMB_DIM "R603-35X45" at 14815,12185 h40 r180; SYMB_DIM "0" at 15005,12515 h40 r180; SYMB_DIM "0" at 14880,12395 h40 r180; ASSEMBLY_BOTTOM "150" at 15000,12390 h40 r180; ASSEMBLY_BOTTOM "X" at 15030,12390 h40 r180; ASSEMBLY_BOTTOM "X" at 15065,12390 h40 r180
R174: PIN_NUMBER "2" at 14742,12420 h20 r270; PIN_NUMBER "1" at 14742,12380 h20 r270; ASSEMBLY_BOTTOM "USERPART#" at 14600,12400 h25 r270; ASSEMBLY_BOTTOM "TOLERANCE" at 14650,12400 h25 r270; ASSEMBLY_BOTTOM "10K" at 14750,12400 h25 r270; SYMBOL_PART_DIM "0" at 14737,12308 h25 r270; SYMBOL_PART_DIM "0" at 14666,12392 h25 r270; SYMBOL_PART_DIM "C402-35X32" at 14612,12277 h25 r270; SYMBOL_PART_DIM "PAD 35X32 OV" at 14562,12277 h25 r270
R175: PIN_NUMBER "2" at 16522,11705 h20 r90; PIN_NUMBER "1" at 16522,11665 h20 r90; ASSEMBLY_TOP "USERPART#" at 16680,11685 h25 r90; ASSEMBLY_TOP "TOLERANCE" at 16630,11685 h25 r90; ASSEMBLY_TOP "10K" at 16530,11685 h25 r90; SYMBOL_PART_DIM "0" at 16543,11593 h25 r90; SYMBOL_PART_DIM "0" at 16614,11677 h25 r90; SYMBOL_PART_DIM "C402-35X32" at 16668,11562 h25 r90; SYMBOL_PART_DIM "PAD 35X32 OV" at 16718,11562 h25 r90
R176: PIN_NUMBER "2" at 14367,12230 h20 r90; PIN_NUMBER "1" at 14367,12270 h20 r90; ASSEMBLY_BOTTOM "USERPART#" at 14525,12250 h25 r90; ASSEMBLY_BOTTOM "TOLERANCE" at 14475,12250 h25 r90; ASSEMBLY_BOTTOM "0" at 14375,12250 h25 r90; SYMBOL_PART_DIM "0" at 14388,12342 h25 r90; SYMBOL_PART_DIM "0" at 14459,12258 h25 r90; SYMBOL_PART_DIM "C402-35X32" at 14513,12373 h25 r90; SYMBOL_PART_DIM "PAD 35X32 OV" at 14563,12373 h25 r90
R177: PIN_NUMBER "2" at 14367,12170 h20 r270; PIN_NUMBER "1" at 14367,12130 h20 r270; ASSEMBLY_BOTTOM "USERPART#" at 14225,12150 h25 r270; ASSEMBLY_BOTTOM "TOLERANCE" at 14275,12150 h25 r270; ASSEMBLY_BOTTOM "0" at 14375,12150 h25 r270; SYMBOL_PART_DIM "0" at 14362,12058 h25 r270; SYMBOL_PART_DIM "0" at 14291,12142 h25 r270; SYMBOL_PART_DIM "C402-35X32" at 14237,12027 h25 r270; SYMBOL_PART_DIM "PAD 35X32 OV" at 14187,12027 h25 r270
R178: PIN_NUMBER "2" at 16422,11665 h20 r270; PIN_NUMBER "1" at 16422,11705 h20 r270; ASSEMBLY_TOP "USERPART#" at 16280,11685 h25 r270; ASSEMBLY_TOP "TOLERANCE" at 16330,11685 h25 r270; ASSEMBLY_TOP "NO-POP" at 16430,11685 h25 r270; SYMBOL_PART_DIM "0" at 16417,11777 h25 r270; SYMBOL_PART_DIM "0" at 16346,11693 h25 r270; SYMBOL_PART_DIM "C402-35X32" at 16292,11808 h25 r270; SYMBOL_PART_DIM "PAD 35X32 OV" at 16242,11808 h25 r270
R179: PIN_NUMBER "1" at 15137,12075 h20; PIN_NUMBER "2" at 15097,12075 h20; ASSEMBLY_BOTTOM "USERPART#" at 15125,11925 h25; ASSEMBLY_BOTTOM "TOLERANCE" at 15125,11975 h25; ASSEMBLY_BOTTOM "10K" at 15125,12075 h25; SYMBOL_PART_DIM "0" at 15217,12062 h25; SYMBOL_PART_DIM "0" at 15133,11991 h25; SYMBOL_PART_DIM "C402-35X32" at 15248,11937 h25; SYMBOL_PART_DIM "PAD 35X32 OV" at 15248,11887 h25
R180: PIN_NUMBER "1" at 13584,15255 h40 r90; PIN_NUMBER "2" at 13584,15195 h40 r90; SYMB_DIM "PAD 35X45OV" at 13525,15040 h40 r90; SYMB_DIM "SM  43X53OV" at 13585,15040 h40 r90; SYMB_DIM "SP  35X45OV" at 13655,15040 h40 r90; SYMB_DIM "R603-35X45" at 13410,15435 h40 r90; SYMB_DIM "0" at 13740,15245 h40 r90; SYMB_DIM "0" at 13620,15370 h40 r90; ASSEMBLY_BOTTOM "5.6K" at 13615,15250 h40 r90; ASSEMBLY_BOTTOM "X" at 13615,15220 h40 r90; ASSEMBLY_BOTTOM "X" at 13615,15185 h40 r90
R181: PIN_NUMBER "2" at 13484,15255 h40 r90; PIN_NUMBER "1" at 13484,15195 h40 r90; ASSEMBLY_TOP "5.6K" at 13515,15200 h40 r90; ASSEMBLY_TOP "X" at 13515,15230 h40 r90; ASSEMBLY_TOP "X" at 13515,15265 h40 r90; SYMB_DIM "PAD 35X45OV" at 13425,15410 h40 r90; SYMB_DIM "SM  43X53OV" at 13485,15410 h40 r90; SYMB_DIM "SP  35X45OV" at 13555,15410 h40 r90; SYMB_DIM "R603-35X45" at 13310,15015 h40 r90; SYMB_DIM "0" at 13640,15205 h40 r90; SYMB_DIM "0" at 13520,15080 h40 r90
R182: PIN_NUMBER "1" at 13934,15405 h40 r270; PIN_NUMBER "2" at 13934,15345 h40 r270; ASSEMBLY_TOP "5.6K" at 13935,15400 h40 r270; ASSEMBLY_TOP "X" at 13935,15370 h40 r270; ASSEMBLY_TOP "X" at 13935,15335 h40 r270; SYMB_DIM "PAD 35X45OV" at 14025,15190 h40 r270; SYMB_DIM "SM  43X53OV" at 13965,15190 h40 r270; SYMB_DIM "SP  35X45OV" at 13895,15190 h40 r270; SYMB_DIM "R603-35X45" at 14140,15585 h40 r270; SYMB_DIM "0" at 13810,15395 h40 r270; SYMB_DIM "0" at 13930,15520 h40 r270
R183: PIN_NUMBER "2" at 13989,15250 h40; PIN_NUMBER "1" at 13929,15250 h40; ASSEMBLY_TOP "5.6K" at 13950,15235 h40; ASSEMBLY_TOP "X" at 13980,15235 h40; ASSEMBLY_TOP "X" at 14015,15235 h40; SYMB_DIM "PAD 35X45OV" at 14160,15325 h40; SYMB_DIM "SM  43X53OV" at 14160,15265 h40; SYMB_DIM "SP  35X45OV" at 14160,15195 h40; SYMB_DIM "R603-35X45" at 13765,15440 h40; SYMB_DIM "0" at 13955,15110 h40; SYMB_DIM "0" at 13830,15230 h40
R184: PIN_NUMBER "2" at 13142,15030 h20 r270; PIN_NUMBER "1" at 13142,15070 h20 r270; ASSEMBLY_TOP "USERPART#" at 13000,15050 h25 r270; ASSEMBLY_TOP "TOLERANCE" at 13050,15050 h25 r270; ASSEMBLY_TOP "330" at 13150,15050 h25 r270; SYMBOL_PART_DIM "0" at 13137,15142 h25 r270; SYMBOL_PART_DIM "0" at 13066,15058 h25 r270; SYMBOL_PART_DIM "C402-35X32" at 13012,15173 h25 r270; SYMBOL_PART_DIM "PAD 35X32 OV" at 12962,15173 h25 r270
R185: PIN_NUMBER "2" at 12642,15005 h20 r90; PIN_NUMBER "1" at 12642,15045 h20 r90; ASSEMBLY_BOTTOM "USERPART#" at 12800,15025 h25 r90; ASSEMBLY_BOTTOM "TOLERANCE" at 12750,15025 h25 r90; ASSEMBLY_BOTTOM "20K" at 12650,15025 h25 r90; SYMBOL_PART_DIM "0" at 12663,15117 h25 r90; SYMBOL_PART_DIM "0" at 12734,15033 h25 r90; SYMBOL_PART_DIM "C402-35X32" at 12788,15148 h25 r90; SYMBOL_PART_DIM "PAD 35X32 OV" at 12838,15148 h25 r90
R186: PIN_NUMBER "2" at 12917,15545 h20 r270; PIN_NUMBER "1" at 12917,15505 h20 r270; ASSEMBLY_BOTTOM "USERPART#" at 12775,15525 h25 r270; ASSEMBLY_BOTTOM "TOLERANCE" at 12825,15525 h25 r270; ASSEMBLY_BOTTOM "20K" at 12925,15525 h25 r270; SYMBOL_PART_DIM "0" at 12912,15433 h25 r270; SYMBOL_PART_DIM "0" at 12841,15517 h25 r270; SYMBOL_PART_DIM "C402-35X32" at 12787,15402 h25 r270; SYMBOL_PART_DIM "PAD 35X32 OV" at 12737,15402 h25 r270
R187: PIN_NUMBER "2" at 13287,15025 h20 r180; PIN_NUMBER "1" at 13247,15025 h20 r180; ASSEMBLY_BOTTOM "USERPART#" at 13275,15175 h25 r180; ASSEMBLY_BOTTOM "TOLERANCE" at 13275,15125 h25 r180; ASSEMBLY_BOTTOM "47K" at 13275,15025 h25 r180; SYMBOL_PART_DIM "0" at 13183,15038 h25 r180; SYMBOL_PART_DIM "0" at 13267,15109 h25 r180; SYMBOL_PART_DIM "C402-35X32" at 13152,15163 h25 r180; SYMBOL_PART_DIM "PAD 35X32 OV" at 13152,15213 h25 r180
R188: PIN_NUMBER "1" at 13092,14970 h20 r270; PIN_NUMBER "2" at 13092,14930 h20 r270; ASSEMBLY_TOP "USERPART#" at 12950,14950 h25 r270; ASSEMBLY_TOP "TOLERANCE" at 13000,14950 h25 r270; ASSEMBLY_TOP "330" at 13100,14950 h25 r270; SYMBOL_PART_DIM "0" at 13087,15042 h25 r270; SYMBOL_PART_DIM "0" at 13016,14958 h25 r270; SYMBOL_PART_DIM "C402-35X32" at 12962,15073 h25 r270; SYMBOL_PART_DIM "PAD 35X32 OV" at 12912,15073 h25 r270
R189: PIN_NUMBER "2" at 13187,14975 h20; PIN_NUMBER "1" at 13147,14975 h20; ASSEMBLY_TOP "USERPART#" at 13175,14825 h25; ASSEMBLY_TOP "TOLERANCE" at 13175,14875 h25; ASSEMBLY_TOP "10K" at 13175,14975 h25; SYMBOL_PART_DIM "0" at 13083,14962 h25; SYMBOL_PART_DIM "0" at 13167,14891 h25; SYMBOL_PART_DIM "C402-35X32" at 13052,14837 h25; SYMBOL_PART_DIM "PAD 35X32 OV" at 13052,14787 h25
R190: PIN_NUMBER "1" at 13187,14925 h20; PIN_NUMBER "2" at 13147,14925 h20; ASSEMBLY_BOTTOM "USERPART#" at 13175,14775 h25; ASSEMBLY_BOTTOM "TOLERANCE" at 13175,14825 h25; ASSEMBLY_BOTTOM "0" at 13175,14925 h25; SYMBOL_PART_DIM "0" at 13267,14912 h25; SYMBOL_PART_DIM "0" at 13183,14841 h25; SYMBOL_PART_DIM "C402-35X32" at 13298,14787 h25; SYMBOL_PART_DIM "PAD 35X32 OV" at 13298,14737 h25
R191: PIN_NUMBER "1" at 13187,14925 h20 r180; PIN_NUMBER "2" at 13147,14925 h20 r180; ASSEMBLY_TOP "USERPART#" at 13175,15075 h25 r180; ASSEMBLY_TOP "TOLERANCE" at 13175,15025 h25 r180; ASSEMBLY_TOP "0" at 13175,14925 h25 r180; SYMBOL_PART_DIM "0" at 13267,14938 h25 r180; SYMBOL_PART_DIM "0" at 13183,15009 h25 r180; SYMBOL_PART_DIM "C402-35X32" at 13298,15063 h25 r180; SYMBOL_PART_DIM "PAD 35X32 OV" at 13298,15113 h25 r180
R192: PIN_NUMBER "2" at 11792,15245 h20 r270; PIN_NUMBER "1" at 11792,15205 h20 r270; ASSEMBLY_BOTTOM "USERPART#" at 11650,15225 h25 r270; ASSEMBLY_BOTTOM "TOLERANCE" at 11700,15225 h25 r270; ASSEMBLY_BOTTOM "20K" at 11800,15225 h25 r270; SYMBOL_PART_DIM "0" at 11787,15133 h25 r270; SYMBOL_PART_DIM "0" at 11716,15217 h25 r270; SYMBOL_PART_DIM "C402-35X32" at 11662,15102 h25 r270; SYMBOL_PART_DIM "PAD 35X32 OV" at 11612,15102 h25 r270
R193: PIN_NUMBER "2" at 12017,15545 h20 r270; PIN_NUMBER "1" at 12017,15505 h20 r270; ASSEMBLY_BOTTOM "USERPART#" at 11875,15525 h25 r270; ASSEMBLY_BOTTOM "TOLERANCE" at 11925,15525 h25 r270; ASSEMBLY_BOTTOM "20K" at 12025,15525 h25 r270; SYMBOL_PART_DIM "0" at 12012,15433 h25 r270; SYMBOL_PART_DIM "0" at 11941,15517 h25 r270; SYMBOL_PART_DIM "C402-35X32" at 11887,15402 h25 r270; SYMBOL_PART_DIM "PAD 35X32 OV" at 11837,15402 h25 r270
R194: PIN_NUMBER "1" at 12592,14205 h20 r90; PIN_NUMBER "2" at 12592,14245 h20 r90; ASSEMBLY_TOP "USERPART#" at 12750,14225 h25 r90; ASSEMBLY_TOP "TOLERANCE" at 12700,14225 h25 r90; ASSEMBLY_TOP "10" at 12600,14225 h25 r90; SYMBOL_PART_DIM "0" at 12613,14133 h25 r90; SYMBOL_PART_DIM "0" at 12684,14217 h25 r90; SYMBOL_PART_DIM "C402-35X32" at 12738,14102 h25 r90; SYMBOL_PART_DIM "PAD 35X32 OV" at 12788,14102 h25 r90
R195: PIN_NUMBER "1" at 12642,14205 h20 r90; PIN_NUMBER "2" at 12642,14245 h20 r90; ASSEMBLY_TOP "USERPART#" at 12800,14225 h25 r90; ASSEMBLY_TOP "TOLERANCE" at 12750,14225 h25 r90; ASSEMBLY_TOP "10" at 12650,14225 h25 r90; SYMBOL_PART_DIM "0" at 12663,14133 h25 r90; SYMBOL_PART_DIM "0" at 12734,14217 h25 r90; SYMBOL_PART_DIM "C402-35X32" at 12788,14102 h25 r90; SYMBOL_PART_DIM "PAD 35X32 OV" at 12838,14102 h25 r90
R196: PIN_NUMBER "1" at 12692,14205 h20 r90; PIN_NUMBER "2" at 12692,14245 h20 r90; ASSEMBLY_TOP "USERPART#" at 12850,14225 h25 r90; ASSEMBLY_TOP "TOLERANCE" at 12800,14225 h25 r90; ASSEMBLY_TOP "10" at 12700,14225 h25 r90; SYMBOL_PART_DIM "0" at 12713,14133 h25 r90; SYMBOL_PART_DIM "0" at 12784,14217 h25 r90; SYMBOL_PART_DIM "C402-35X32" at 12838,14102 h25 r90; SYMBOL_PART_DIM "PAD 35X32 OV" at 12888,14102 h25 r90
R197: PIN_NUMBER "1" at 12742,14205 h20 r90; PIN_NUMBER "2" at 12742,14245 h20 r90; ASSEMBLY_TOP "USERPART#" at 12900,14225 h25 r90; ASSEMBLY_TOP "TOLERANCE" at 12850,14225 h25 r90; ASSEMBLY_TOP "10" at 12750,14225 h25 r90; SYMBOL_PART_DIM "0" at 12763,14133 h25 r90; SYMBOL_PART_DIM "0" at 12834,14217 h25 r90; SYMBOL_PART_DIM "C402-35X32" at 12888,14102 h25 r90; SYMBOL_PART_DIM "PAD 35X32 OV" at 12938,14102 h25 r90